# Altium PCB TOP.PcbDoc
Units mm, origin at the board's own origin, x right, y up, seen from the top; angles counter-clockwise.
Board outline 126 x 124.09 mm, 2 copper layers (Top Layer, Bottom Layer), stack 1.181 mm thick; 68 components, 46 nets, 332 pads, 31 vias.
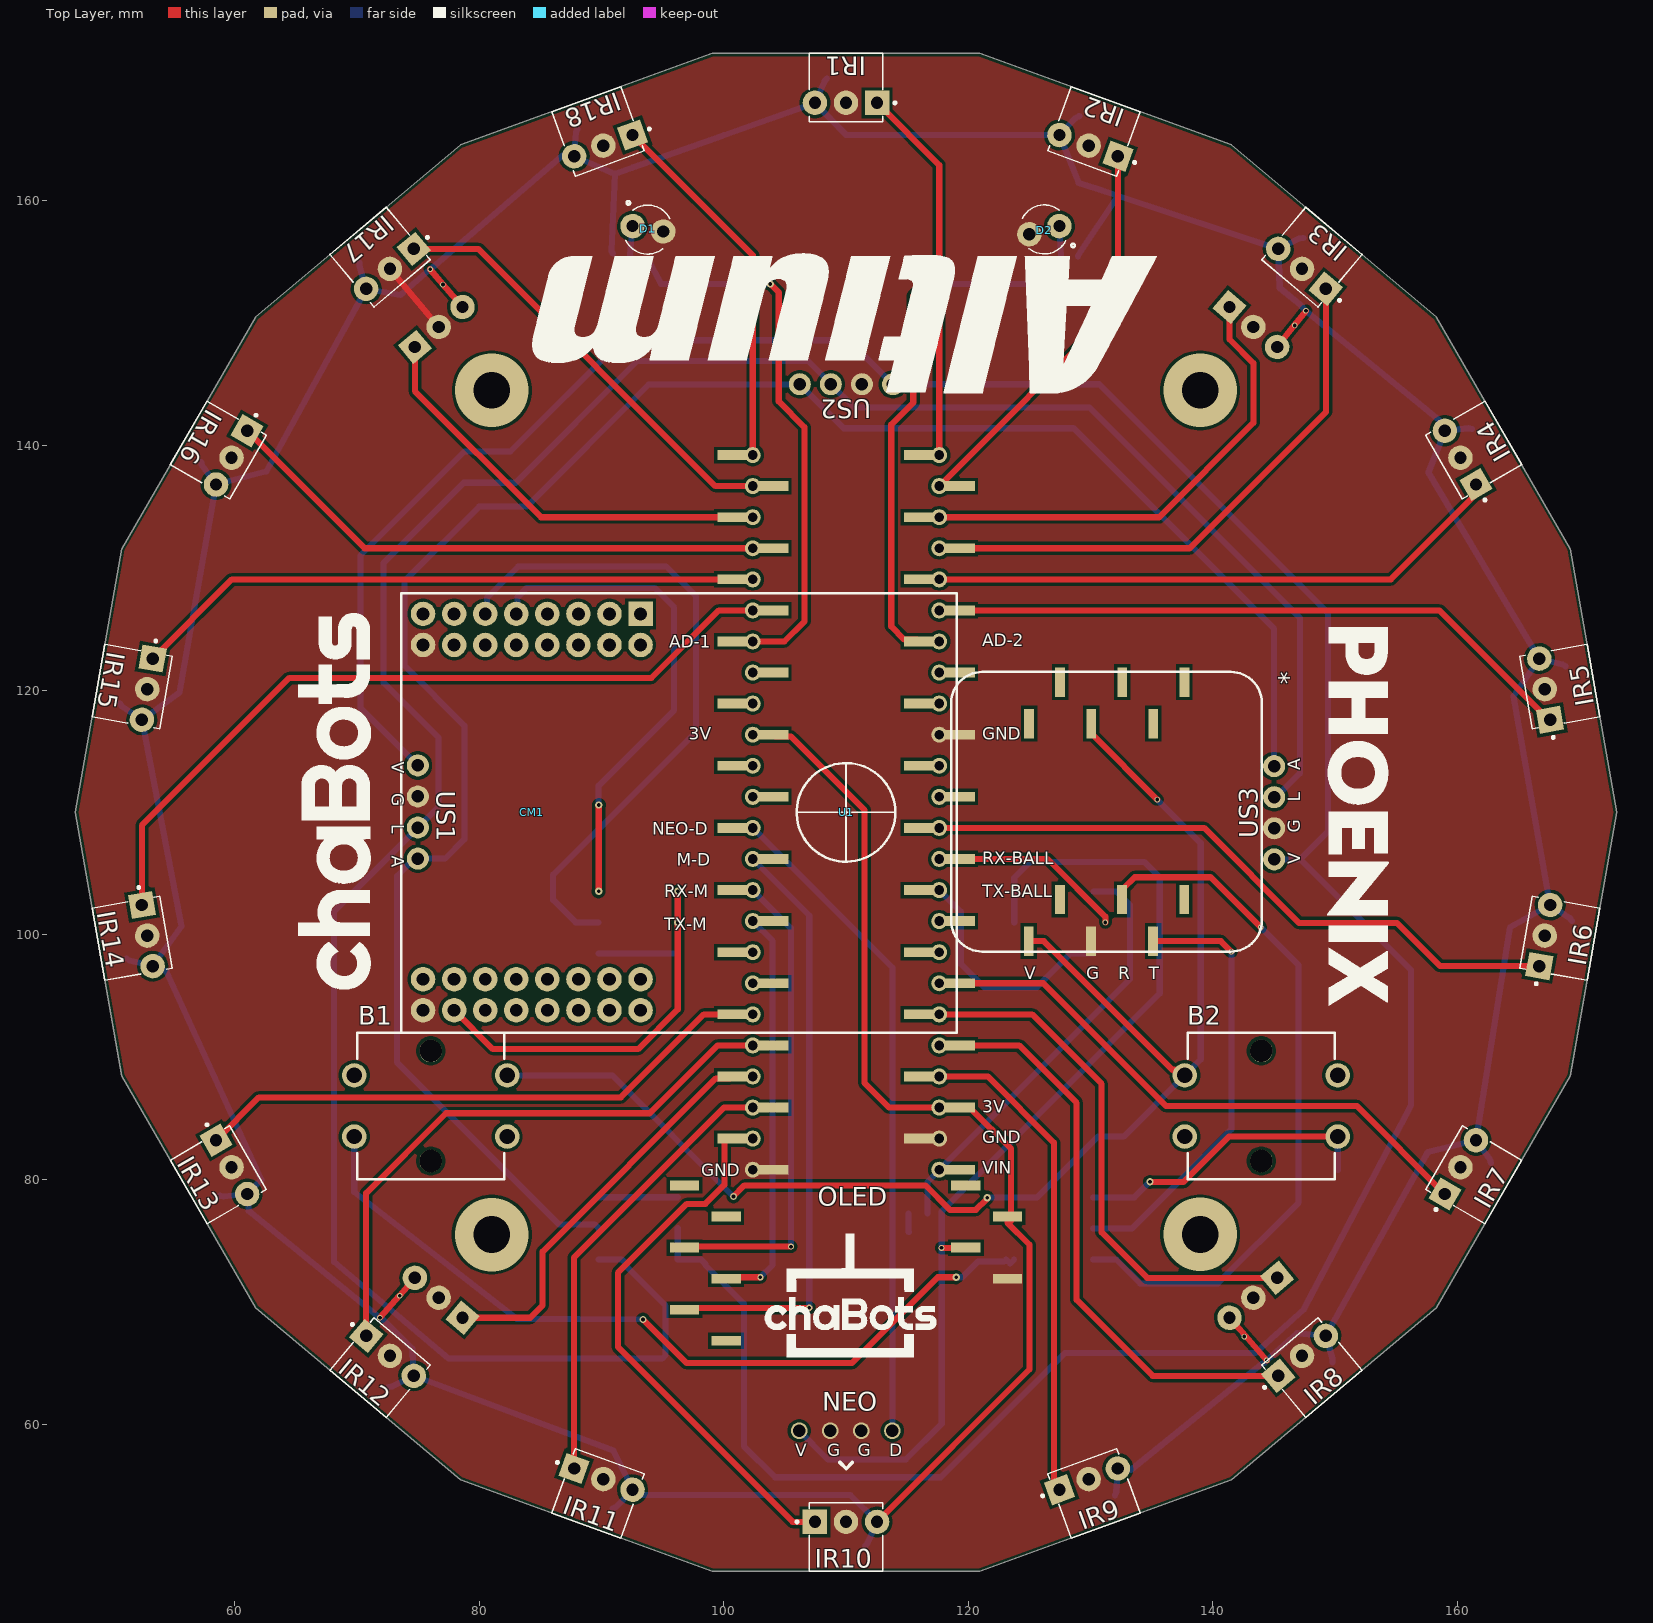
[diagram p0: Top Layer view]
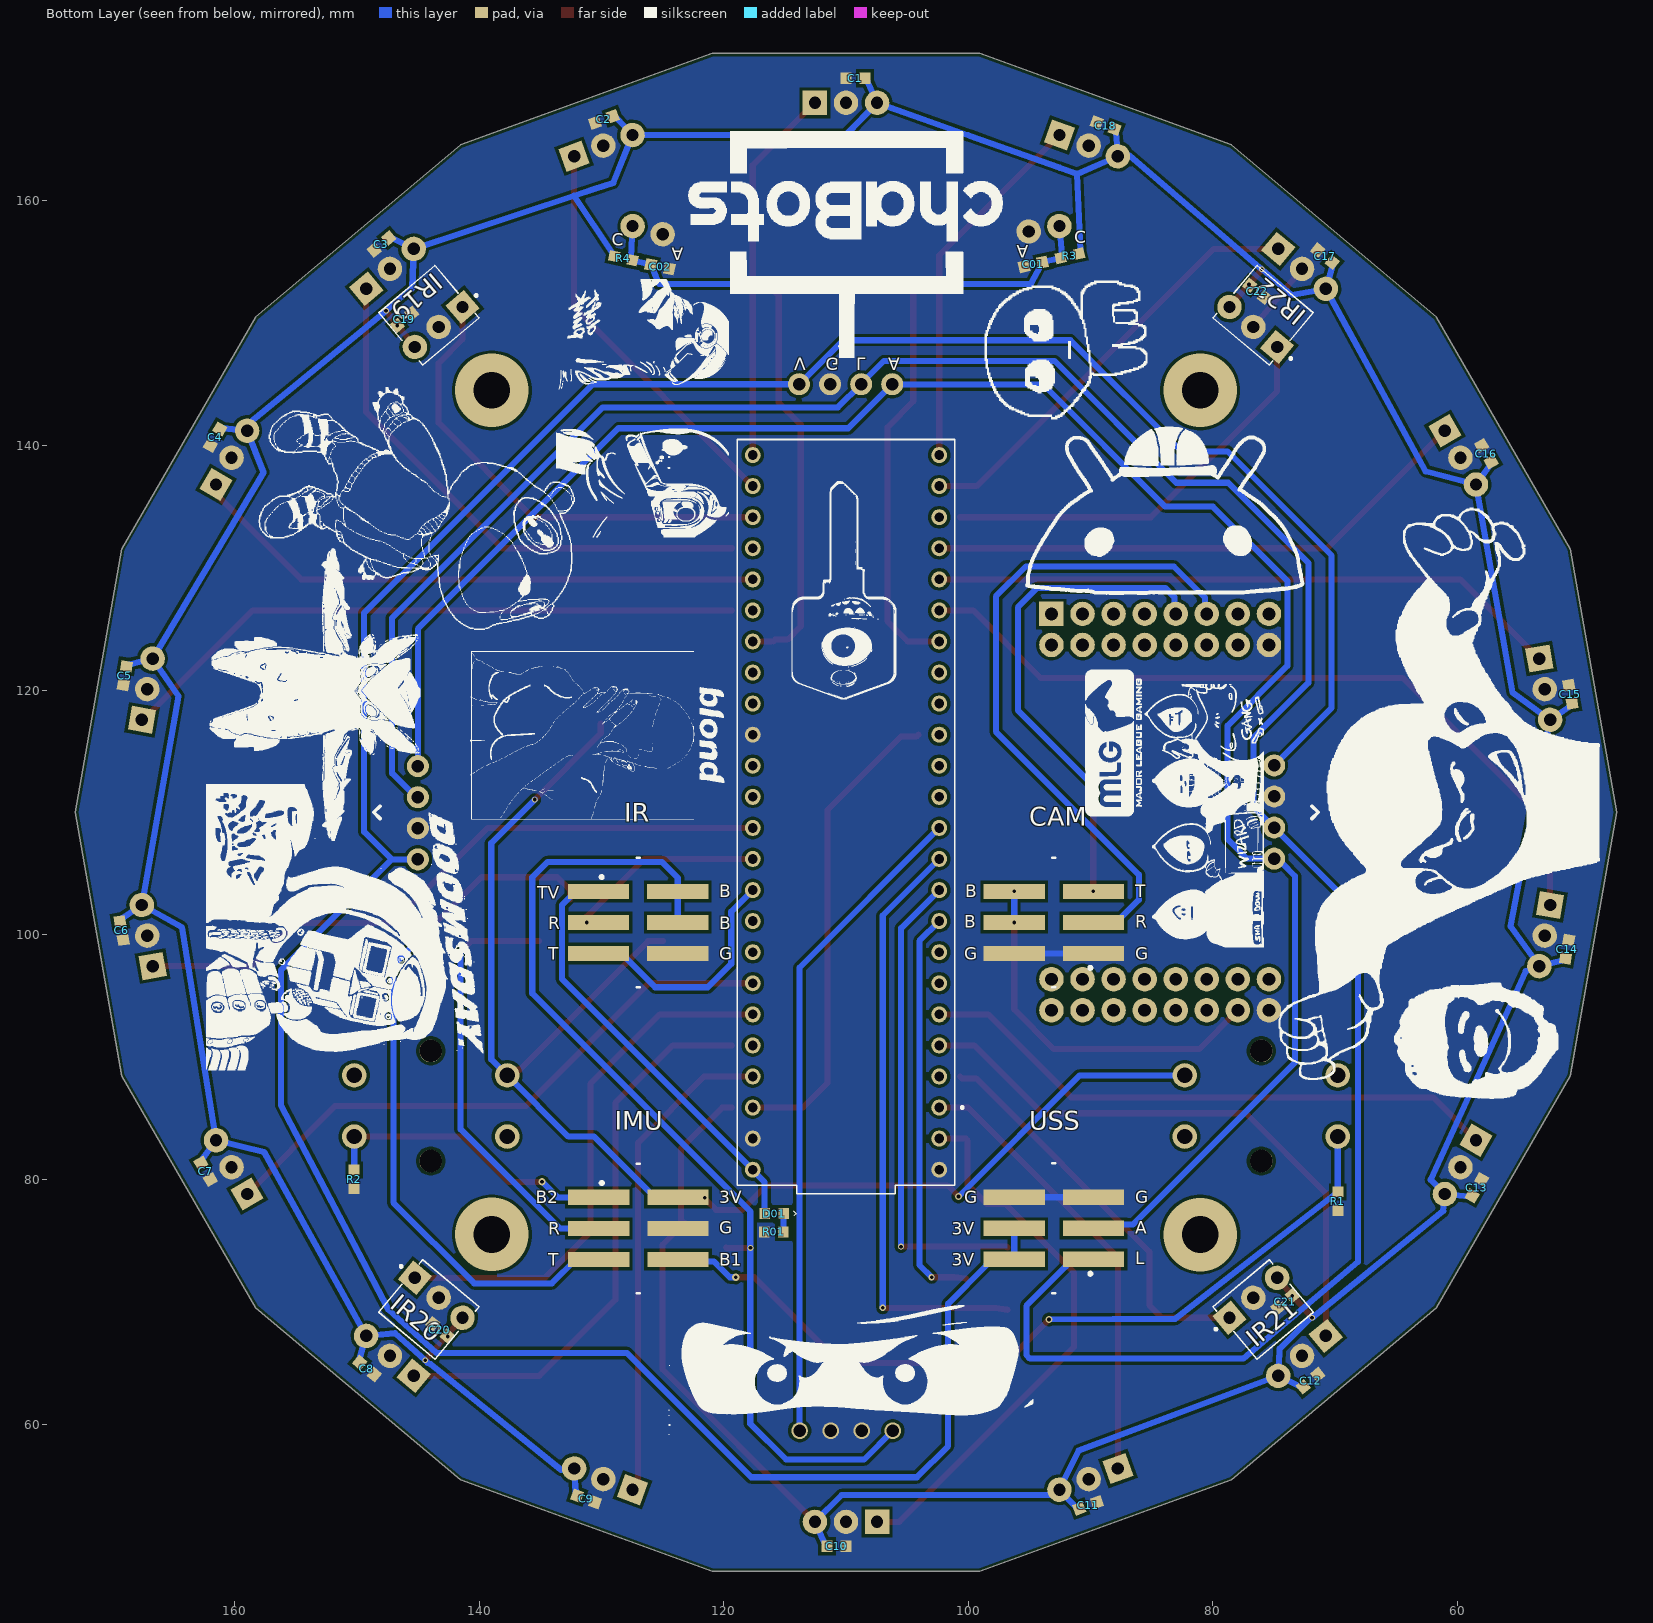
[diagram p1: Bottom Layer view, seen from below]
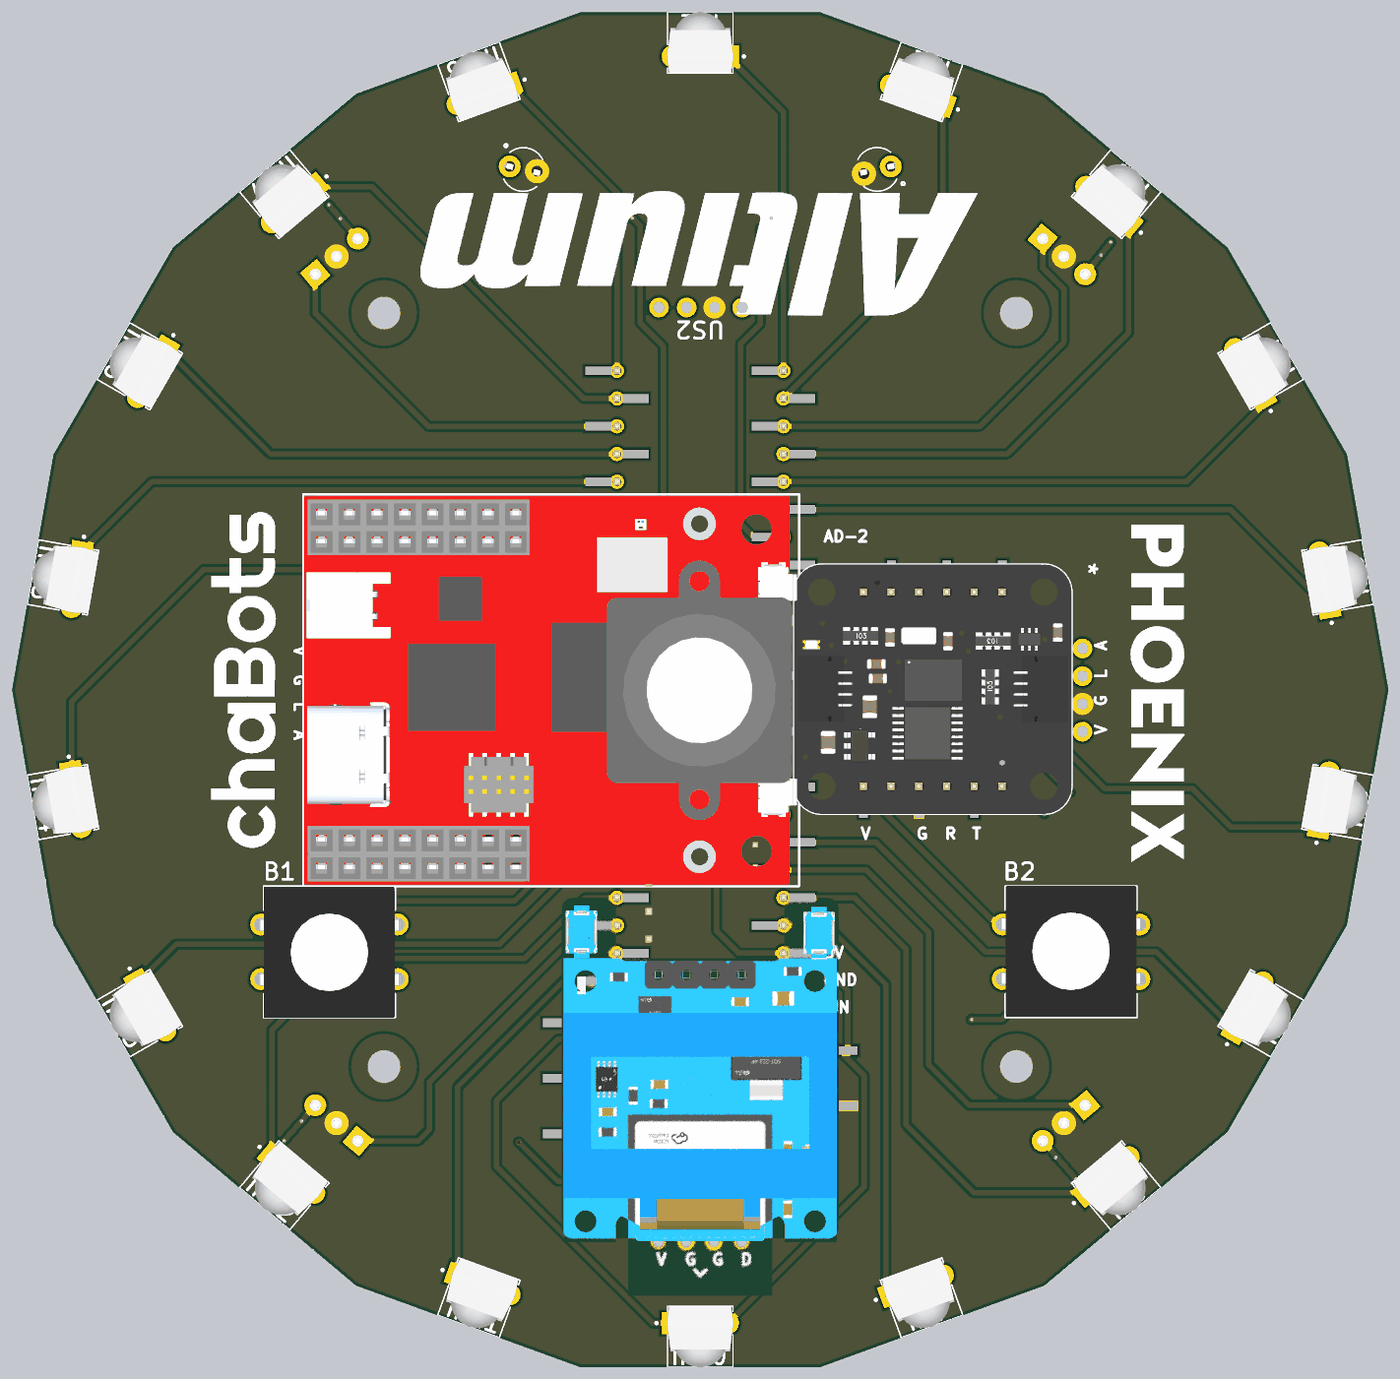
[diagram p2: 3D render of the assembled board from above, using the file's embedded part models]
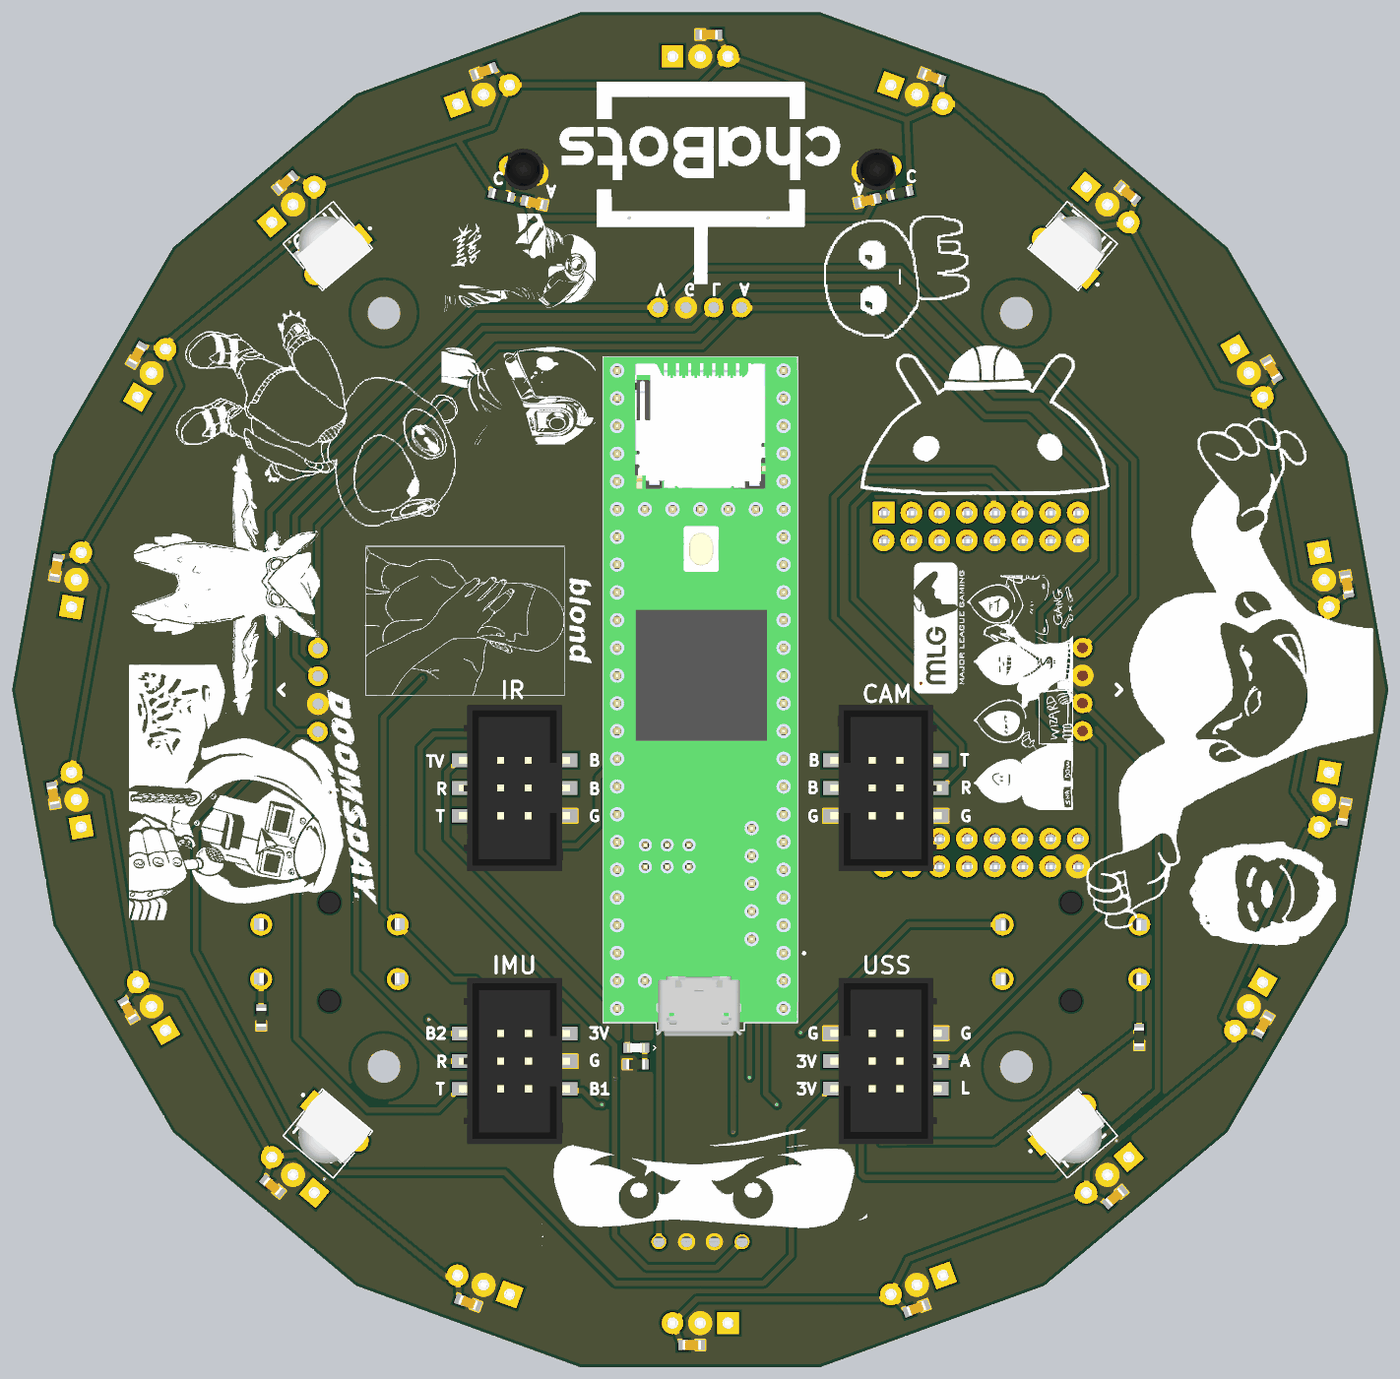
[diagram p3: 3D render of the assembled board from below, using the file's embedded part models]

## Layer stack, top to bottom
Top Solder: solder mask 0.0102, Solder Resist, Dk 3.5
Top Layer: signal copper 0.0356
Dielectric 1: dielectric 1.11, FR-4, Dk 4.8
Bottom Layer: signal copper 0.0356
Bottom Solder: solder mask 0.0102, Solder Resist, Dk 3.5

## Board outline
61.739,69.504 78.5,55.44 99.06,47.957 120.94,47.957 141.5,55.44 158.261,69.504 169.201,88.453 173,110 169.201,131.547 158.261,150.496 141.5,164.56 120.94,172.043 99.06,172.043 78.5,164.56 61.739,150.496 50.799,131.547 47,110 50.799,88.453

## Design rules (kind name [scope] priority, off if disabled: settings)
BoardOutlineClearance [All] p1: gap=0.254 ignorepadtopadclearanceinfootprint=FALSE except(0: Arc-SplitContinuation Track-SplitContinuation SMDPad-SplitContinuation THPad-SplitContinuation Via-SplitContinuation Fill-SplitContinuation Poly-SplitContinuation Region-SplitContinuation Text-SplitContinuation)
Clearance [All] p1: gap=0.254 ignorepadtopadclearanceinfootprint=FALSE
Height [All] p1: minheight=0 maxheight=100 prefheight=12.7
PolygonConnect [All] p1: connectstyle=Direct reliefconductorwidth=0.254 reliefentries=4 polygonreliefangle="90 Angle" airgapwidth=0.254
RoutingVias [All] p1: holewidth=0.711 width=1.27 viastyle="Through Hole" minholewidth=0.711 minwidth=1.27 maxholewidth=0.711 maxwidth=1.27
SolderMaskExpansion [All] p1: expansion=0.102 istentingtop=FALSE
SupplyNets "Schematic Supply Nets_7" [InNet('+3V-IMU')] p1: voltage=0.000
SupplyNets "Schematic Supply Nets_5" [InNet('+3V-CAM')] p2: voltage=0.000
SupplyNets "Schematic Supply Nets_6" [InNet('+3V-US')] p3: voltage=0.000
SupplyNets "Schematic Supply Nets_4" [InNet('+3V')] p4: voltage=0.000
SupplyNets "Schematic Supply Nets_3" [InNet('GND')] p5: voltage=0.000
SupplyNets "Schematic Supply Nets_1" [InNet('+3VB')] p6: voltage=0.000
SupplyNets "Schematic Supply Nets" [InNet('+3V-SWITCH')] p7: voltage=0.000
Width [All] p1: maxlimit=5 minlimit=0.254 preferedwidth=0.3
29 further rules are at their usual default settings.

## Classes and differential pairs
component class IR-ARRAY: C1 C2 C3 C4 C5 C6 C7 C8 C9 C10 C11 C12 C13 C14 C15 C16 C17 C18 C19 C20 C21 C22 IR1 IR2 IR3 IR4 IR5 IR6 IR7 IR8 IR9 IR10 IR11 IR12 IR13 IR14 IR15 IR16 IR17 IR18 IR19 IR20 IR21 IR22
component class UART: * B1 B2 C01 C02 CAM CM1 D1 D01 D2 IMU IR NEO OLED R01 R1 R2 R3 R4 U1 US1 US2 US3 USS

## Components (designator, comment, footprint, x,y, rotation, side; value= is the part's Value field where it differs from the comment)
* "BNO085" BNO085 131.3,110.05 r0 top
B1 "BUTTON" BUTTON 76.15,86 r180 top
B2 "BUTTON" BUTTON 143.85,86 r0 top
C01 "1UF" CAP_0603 94.7,154.8 r167.22 bottom
C1 "1UF" CAP_0603 109.225,170 r0 bottom
C02 "1UF" CAP_0603 125.2,154.6 r12.23 bottom
C2 "1UF" CAP_0603 129.793,166.647 r340 bottom
C3 "1UF" CAP_0603 147.974,156.461 r320 bottom
C4 "1UF" CAP_0603 161.574,140.671 r300 bottom
C5 "1UF" CAP_0603 168.954,121.182 r280 bottom
C6 "1UF" CAP_0603 169.223,100.344 r260 bottom
C7 "1UF" CAP_0603 162.349,80.671 r240 bottom
C8 "1UF" CAP_0603 149.161,64.535 r220 bottom
C9 "1UF" CAP_0603 131.249,53.884 r200 bottom
C10 "1UF" CAP_0603 110.775,50 r180 bottom
C11 "1UF" CAP_0603 90.207,53.353 r160 bottom
C12 "1UF" CAP_0603 72.026,63.539 r140 bottom
C13 "1UF" CAP_0603 58.426,79.329 r120 bottom
C14 "1UF" CAP_0603 51.046,98.818 r100 bottom
C15 "1UF" CAP_0603 50.777,119.656 r80 bottom
C16 "1UF" CAP_0603 57.651,139.329 r60 bottom
C17 "1UF" CAP_0603 70.839,155.465 r40 bottom
C18 "1UF" CAP_0603 88.772,166.135 r20 bottom
C19 "1UF" CAP_0603 146.1,150.3 r140 bottom
C20 "1UF" CAP_0603 143.2,67.7 r40 bottom
C21 "1UF" CAP_0603 74.106,69.998 r320 bottom
C22 "1UF" CAP_0603 76.4,152.6 r220 bottom
CAM "CAM-UART" IDC-6PIN-SMT-2.54 93,101 r0 bottom
CM1 "OpenMV-RT1062" OPENMV-RT1062 110,110 r270 top
D01 "LED_0603" LED_0603 115.874,77.209 r180 bottom
D1 "PD204-6B" PD204-6B 93.796,157.643 r347.22 top
D2 "PD204-6B" PD204-6B 126.202,157.655 r192.23 top
IMU "IMU-UART" IDC-6PIN-SMT-2.54 126.99,75.99 r180 bottom
IR "BALL-UART" IDC-6PIN-SMT-2.54 127,101 r180 bottom
IR1 "TSSP-4038" TSSP-4038 110,168 r0 top
IR2 "TSSP-4038" TSSP-4038 129.837,164.502 r340 top
IR3 "TSSP-4038" TSSP-4038 147.282,154.431 r320 top
IR4 "TSSP-4038" TSSP-4038 160.229,139 r300 top
IR5 "TSSP-4038" TSSP-4038 167.119,120.072 r280 top
IR6 "TSSP-4038" TSSP-4038 167.119,99.928 r260 top
IR7 "TSSP-4038" TSSP-4038 160.229,81 r240 top
IR8 "TSSP-4038" TSSP-4038 147.282,65.569 r220 top
IR9 "TSSP-4038" TSSP-4038 129.837,55.498 r200 top
IR10 "TSSP-4038" TSSP-4038 110,52 r180 top
IR11 "TSSP-4038" TSSP-4038 90.163,55.498 r160 top
IR12 "TSSP-4038" TSSP-4038 72.718,65.569 r140 top
IR13 "TSSP-4038" TSSP-4038 59.771,81 r120 top
IR14 "TSSP-4038" TSSP-4038 52.881,99.928 r100 top
IR15 "TSSP-4038" TSSP-4038 52.881,120.072 r80 top
IR16 "TSSP-4038" TSSP-4038 59.771,139 r60 top
IR17 "TSSP-4038" TSSP-4038 72.718,154.431 r40 top
IR18 "TSSP-4038" TSSP-4038 90.163,164.502 r20 top
IR19 "TSSP-4038" TSSP-4038 143.296,149.681 r140 bottom
IR20 "TSSP-4038" TSSP-4038 143.296,70.319 r40 bottom
IR21 "TSSP-4038" TSSP-4038 76.704,70.319 r320 bottom
IR22 "TSSP-4038" TSSP-4038 76.704,149.681 r220 bottom
NEO "NEOPIXEL-ARRAY" NEOPIXEL-ARRAY 110.01,59.45 r0 top
OLED "RC-MODULE" RC-MODULE 110.5,75.5 r0 top
R01 "130Ω" RES_0603 115.9,75.7 r0 bottom
R1 "10KΩ" RES_0603 69.8,78.2 r270 bottom
R2 "10KΩ" RES_0603 150.2,80 r270 bottom
R3 "10KΩ" RES_0603 91.7,155.5 r347.22 bottom
R4 "10KΩ" RES_0603 128.2,155.3 r12.23 bottom
U1 "Teensy-4.1" TEENSY-4.1 110,110 r90 bottom
US1 "UMR09" URM09 75,110 r90 top
US2 "UMR09" URM09 110,145 r0 top
US3 "UMR09" URM09 145,110 r270 top
USS "UMR09-UART" IDC-6PIN-SMT-2.54 93,76 r0 bottom

## Footprints (in the part's own frame and the unit in brackets; to place one, negate y for a bottom-side part, rotate by r counter-clockwise, add the part's x,y. Pads: shape width x height; smd on the part's side, far side on the other; paste and mask are expansions set on the pad)
BNO085 [mm]
  rect 0.8x2.4 smd: 3V(-3.815,-7.175) BT(-6.335,7.2) CS(6.365,10.6) DI(3.825,7.2) GND(-1.275,-10.575) INT(6.345,-7.175) P0(-3.795,10.6) P1(-1.255,7.2) RST(1.285,10.6) SCL(1.265,-7.175) SDA(3.805,-10.575) VIN(-6.355,-10.575)
  silkscreen extent -12.7,-11.43 12.7,11.43, body extent -12.7,-11.43 12.7,11.43, height 13.5
BUTTON [mm]
  round 2 hole 1.25: 1(-6.15,2.5) 2(6.35,2.5) 3(-6.15,-2.5) 4(6.35,-2.5)
  round 1.85 hole 1.85 unplated: ""(0.1,4.5) ""(0.1,-4.5)
  silkscreen extent -5.9,-6 6.1,6, body extent -6.8,-5.95 7,6.05, height 4.3
CAP_0603 [mm] "Chip Capacitor, 2-Leads, Body 1.60x0.80mm, IPC Medium Density"
  rect 0.9x0.95 smd: 1(-0.775,0) 2(0.775,0)
  body extent -0.85,-0.45 0.85,0.45, height 0.55
IDC-6PIN-SMT-2.54 [mm] "SOJ, 6-Leads, Body 10.60x10.50mm, Pitch 2.54mm, IPC Low Density"
  rect 5x1.25 smd: 1(-3.225,2.54) 2(-3.225,0) 3(-3.225,-2.54) 4(3.25,-2.54) 5(3.25,0) 6(3.25,2.54)
  silkscreen extent -3.1,-5.3 0.12,5.3, body extent -5.1,-7.61 5.08,7.61, height 10.5
LED_0603 [mm]
  rect 0.85x0.9 smd: A(-0.776,-0.009) C(0.774,-0.009)
  silkscreen extent 1.6,-0.2 1.8,0.2, body extent -0.8,-0.4 0.8,0.4, height 0.35
NEOPIXEL-ARRAY [mm]
  round 1.37 hole 1.02: DIN(3.78,0) GND(-1.3,0) GND(1.24,0) VCC(-3.84,0)
  silkscreen extent -0.5,-3.1 0.5,-2.6
OPENMV-RT1062 [mm]
  rect 2x2 hole 1.05: 0(-16.225,-16.795)
  round 2 hole 1.05: 1(-16.225,-19.335) 2(-16.225,-21.875) 3(-16.225,-24.415) 3V(-16.225,-34.575) 3V-1(13.635,-34.575) 4(-16.225,-26.955) 5(-16.225,-29.495) 6(-16.225,-32.035) 7(16.175,-29.495) 8(16.175,-26.955) 9(16.175,-24.415) 10(16.175,-21.875) 13(13.635,-29.495) 14(13.635,-26.955) GND(-13.685,-34.575) GND1(16.175,-34.575) LED(-13.685,-16.795) R1(13.635,-16.795) R2(13.635,-19.335) R3(13.635,-21.875) R4(13.635,-24.415) RAW(-13.685,-32.035) RST(16.175,-16.795) RXN(-13.685,-19.335) RXP(-13.685,-21.875) SBL(13.635,-32.035) TOG(-13.685,-29.495) TXN(-13.685,-24.415) TXP(-13.685,-26.955) VIN(16.175,-32.035) WKE(16.175,-19.335)
  silkscreen extent -17.9,-36.35 18,9.05, body extent -17.73,-36.25 17.83,8.85, height 40.45
PD204-6B [mm]
  round 2 hole 1: A(1.27,0.127) C(-1.27,0)
  silkscreen extent -2.18,-2 1.54,2, body extent -1.61,-1.92 1.92,1.92, height 19
RC-MODULE [mm]
  rect 2.4x0.8 smd: 3V3(9.3,-1.08) A0(-10.3,1.46) A1(-13.7,4) BAT(9.3,4) GND(12.7,-3.62) LOGV(12.7,1.46) OUT1(-10.3,-8.7) OUT2(-13.7,-6.16) RX(-10.3,-3.62) TX(-13.7,-1.08)
  body extent -13.2,-21 12.2,15.44, height 16.35
RES_0603 [mm] "Chip Resistor, 2-Leads, Body 1.60x0.80mm, IPC Medium Density"
  rect 0.85x0.9 smd: 1(-0.775,0) 2(0.775,0)
  body extent -0.85,-0.45 0.85,0.45, height 0.55
TEENSY-4.1 [mm]
  rect 0.8x2.4 smd far side: 0(-26.67,-9.32) 1(-24.13,-5.92) 2(-21.59,-9.32) 3(-19.05,-5.92) 3V(-24.13,9.33) 3V-1(6.35,-5.92) 4(-16.51,-9.32) 5(-13.97,-5.92) 6(-11.43,-9.32) 7(-8.89,-5.92) 8(-6.35,-9.32) 9(-3.81,-5.92) 10(-1.27,-9.32) 11(1.27,-5.92) 12(3.81,-9.32) 13(3.81,5.93) 14(1.27,9.33) 15(-1.27,5.93) 16(-3.81,9.33) 17(-6.35,5.93) 18(-8.89,9.33) 19(-11.43,5.93) 20(-13.97,9.33) 21(-16.51,5.93) 22(-19.05,9.33) 23(-21.59,5.93) 24(8.89,-9.32) 25(11.43,-5.92) 26(13.97,-9.32) 27(16.51,-5.92) 28(19.05,-9.32) 29(21.59,-5.92) 30(24.13,-9.32) 31(26.67,-5.92) 32(29.21,-9.32) 33(29.21,5.93) 34(26.67,9.33) 35(24.13,5.93) 36(21.59,9.33) 37(19.05,5.93) 38(16.51,9.33) 39(13.97,5.93) 40(11.43,9.33) 41(8.89,5.93) GND(-26.67,5.93) GND1(-29.21,-5.92) GND3(6.35,9.33) VIN(-29.21,9.33)
  round 1.308 hole 0.8: 0(-26.67,-7.62) 1(-24.13,-7.62) 2(-21.59,-7.62) 3(-19.05,-7.62) 3V(-24.13,7.62) 3V-1(6.35,-7.62) 4(-16.51,-7.62) 5(-13.97,-7.62) 6(-11.43,-7.62) 7(-8.89,-7.62) 8(-6.35,-7.62) 9(-3.81,-7.62) 10(-1.27,-7.62) 11(1.27,-7.62) 12(3.81,-7.62) 13(3.81,7.62) 14(1.27,7.62) 15(-1.27,7.62) 16(-3.81,7.62) 17(-6.35,7.62) 18(-8.89,7.62) 19(-11.43,7.62) 20(-13.97,7.62) 21(-16.51,7.62) 22(-19.05,7.62) 23(-21.59,7.62) 24(8.89,-7.62) 25(11.43,-7.62) 26(13.97,-7.62) 27(16.51,-7.62) 28(19.05,-7.62) 29(21.59,-7.62) 30(24.13,-7.62) 31(26.67,-7.62) 32(29.21,-7.62) 33(29.21,7.62) 34(26.67,7.62) 35(24.13,7.62) 36(21.59,7.62) 37(19.05,7.62) 38(16.51,7.62) 39(13.97,7.62) 40(11.43,7.62) 41(8.89,7.62) GND(-26.67,7.62) GND1(-29.21,-7.62) GND3(6.35,7.62) VIN(-29.21,7.62)
  silkscreen extent -31.18,-9.6 30.48,8.89, body extent -31.7,-8.9 30.5,8.88, height 7.07
TSSP-4038 [mm]
  round 2 hole 1.01: GND(0,0) VCC(-2.54,0)
  rect 2x2 hole 1.01: OUT(2.54,0)
  silkscreen extent -3,-1.55 4.1,4.05, body extent -3,-1.5 3,4.05, height 8.3
URM09 [mm]
  round 1.8 hole 1.02: GND(1.3,0) SCL(-1.24,0) SDA(-3.78,0) VCC(3.84,0)

## Part data
C01 C1 C02 C2 C3 C4 C5 C6 C7 C8 C9 C10 C11 C12 C13 C14 C15 C16 C17 C18 C19 C20 C21 C22: library part CAP_0603, "Capacitor SMD 0603 generic"
CAM IMU IR USS: library part IDC-6PIN-SMT-2.54_1_1
R01 R1 R2 R3 R4: library part RES_0603, "Resistor SMD 0603 generic"

## Via types
v1: diameter 0.45, hole 0.3, Top Layer to Bottom Layer, tented both sides, 12 vias
v2: diameter 0.6, hole 0.3, Top Layer to Bottom Layer, tented both sides, 11 vias
v3: diameter 0.5, hole 0.3, Top Layer to Bottom Layer, tented both sides, 4 vias
v4: diameter 6, hole 3, Top Layer to Bottom Layer, 4 vias

## Nets (pads, with @x,y where several pads share a name; then routed paths per layer and width w, separated by ;. In a path a pad name is that pad's centre, name@x,y a point inside that pad or via, vN(x,y) a via of type N, cw(c..) or ccw(c..) an arc to the next point about the centre after c; other vN are vias at no path point)
+3V: C1.1 C2.1 C3.1 C4.1 C5.1 C6.1 C7.1 C8.1 C9.1 C10.1 C11.1 C12.1 C13.1 C14.1 C15.1 C16.1 C17.1 C18.1 C19.1 C20.1 C21.1 C22.1 IR1.VCC IR2.VCC IR3.VCC IR4.VCC IR5.VCC IR6.VCC IR7.VCC IR8.VCC IR9.VCC IR10.VCC IR11.VCC IR12.VCC IR13.VCC IR14.VCC IR15.VCC IR16.VCC IR17.VCC IR18.VCC IR19.VCC IR20.VCC IR21.VCC IR22.VCC OLED.LOGV R3.1 R4.2 U1.3V U1.3V-1 | length 511.8
  Top Layer w0.5: v1(71.9,68.7) v1@73.495,70.514 ; v1(73.513,70.496) IR21.VCC ; IR21.VCC@74.629,71.798 IR21.VCC@74.919,71.798 ; v1(76,154.4) 77.061,153.164 IR22.VCC ; U1.3V-1@104.08,116.35 104.23,116.2 105.507,116.2 105.8,115.907 111.5,110.207 111.5,87.9 113.53,85.87 U1.3V@117.62,85.87 ; IR10.VCC 125,64.46 125,74.66 123.2,76.46 123.35,76.46 123.5,76.61 123.5,82.5 120.13,85.87 U1.3V@119.33,85.87 ; IR20.VCC 142.629,67.224 v1(144.4,65.2) ; IR19.VCC 146.662,149.826 v1(147.6,151)
  Bottom Layer w0.5: C15.1 50.829,118.656 IR15.VCC ; C14.1 51.437,97.897 IR14.VCC ; C16.1 57.358,138.372 IR16.VCC ; C13.1 59.108,78.597 IR13.VCC ; C17.1 70.237,154.665 IR17.VCC ; C12.1 72.918,63.085 IR12.VCC ; v1@76.129,154.5 76.006,154.394 73.579,152.304 IR17.VCC ; v1@76.146,154.5 86.835,163.704 IR18.VCC ; C18.1 87.932,165.59 IR18.VCC ; C11.1 91.2,53.231 IR11.VCC ; R3.1 90.818,155.905 91.103,162.192 ; 92.526,162.697 91.103,162.192 ; 92.686,162.754 97.423,164.436 99.865,165.303 100.025,165.36 IR1.VCC ; C1.1 108.25,169.775 IR1.VCC ; C10.1 111.75,50.225 IR10.VCC 110.343,54.197 93.257,54.197 92.825,54.629 IR11.VCC ; R4.2 129.086,155.697 132.224,160.403 ; C2.1 128.8,166.769 IR2.VCC ; C9.1 132.089,54.428 IR9.VCC 133.277,56.255 143.946,64.885 144.191,64.991 v1(144.4,65.2) 146.878,67.422 IR8.VCC ; C20.1@142.456,67.369 C20.1 ; C3.1 147.082,156.915 IR3.VCC ; C8.1 149.763,65.335 IR8.VCC ; C4.1 160.892,141.403 IR4.VCC ; C7.1 162.642,81.628 IR7.VCC ; C5.1 168.563,122.103 IR5.VCC ; C6.1 169.171,101.344 IR6.VCC ; IR15.VCC 55.675,100.695 IR14.VCC ; IR15.VCC 55.505,119.799 IR16.VCC ; IR14.VCC 54.441,97.009 62.21,79.969 IR13.VCC ; IR16.VCC 62.629,137.884 IR17.VCC ; IR13.VCC 61.18,77.422 71.669,68.862 71.835,68.7 v1(71.9,68.7) 72,68.7 74.406,66.294 74.542,66.158 74.552,65.968 IR12.VCC ; IR12.VCC 90.979,57.843 IR11.VCC ; IR18.VCC 91.103,162.192 ; IR1.VCC 110,165.398 IR2.VCC ; IR2.VCC 129.021,161.463 130.582,160.947 132.224,160.403 ; 132.224,160.403 IR3.VCC ; IR3.VCC 145.461,152.872 147.108,151.518 147.307,151.293 v1(147.6,151) 158.911,141.7 IR4.VCC ; IR8.VCC 157.566,82.219 161.411,83.178 IR7.VCC ; IR4.VCC 157.611,137.806 IR5.VCC ; IR7.VCC 164.277,100.604 IR6.VCC ; IR5.VCC 164.564,119.494 IR6.VCC
  other v1: 142.549,67.154 146.694,149.802 77.051,153.146
+3V-CAM: CAM.4 CAM.5 CM1.VIN | length 33.1
  Top Layer w0.5: CM1.VIN 81.14,90.65 93,90.65 96.25,93.9 v2(96.25,101) v2(96.25,103.54)
  Bottom Layer w0.5: v2(96.25,101) v2(96.25,103.54)
+3V-IMU: *.P1 *.VIN B1.3 B2.1 IMU.6 | length 115.6
  Top Layer w0.5: v2(100.8,78.6) 101.7,79.5 116.5,79.5 118.5,77.5 120.613,77.5 121.504,78.391 121.504,78.396 121.527,78.419 121.527,78.49 v2(121.546,78.509) ; *.VIN 126.175,99.475 136.688,88.962 136.832,88.962 137.294,88.5 B2.1 ; *.P1 130.045,116.45 v1(135.448,111.047)
  Bottom Layer w0.5: B1.3 90.9,88.5 v2(100.8,78.6) ; v2(121.546,78.509) 121.568,78.53 125.615,78.53 130.585,83.5 132.7,83.5 B2.1 139,89.8 139,107.495 v1(135.448,111.047)
+3V-SWITCH: D01.A IR.1 U1.VIN | length 35.5
  Bottom Layer w0.5: D01.A 116.65,79.774 117.62,80.744 117.62,80.79 133.229,96.399 133.229,102.411 132.1,103.54 IR.1
+3V-US: US1.VCC US2.VCC US3.VCC USS.5 USS.6 | length 254.2
  Bottom Layer w0.5: US1.VCC 70.3,118.54 70.3,131 78.8,139.5 82.55,139.5 91.65,148.6 110.24,148.6 US2.VCC 130.7,145 149.4,126.3 149.4,108.42 147.14,106.16 ; USS.5 USS.6 98.125,73.46 98.5,73.085 98.5,73 101.65,69.85 101.65,58.2 104.2,55.65 117.75,55.65 127.9,65.8 143.476,65.8 147.439,69.381 156.2,86.081 156.2,97.1 147.14,106.16 ; US3.VCC 147.14,106.16
+3VB: IR.5 IR.6 NEO.VCC OLED.3V3 | length 84.5
  Top Layer w0.5: v3(117.8,74.4) 119.78,74.4 OLED.3V3
  Bottom Layer w0.5: NEO.VCC 108.52,57.1 114.9,57.1 117.825,60.025 117.825,77.375 135.65,95.2 135.65,104.7 134.4,105.95 125.05,105.95 123.75,104.65 IR.6 IR.5
AD-1: C01.2 D1.C R3.2 U1.26 | length 48.9
  Top Layer w0.5: U1.26@102.38,123.97 104.97,123.97 106.6,125.6 106.6,141.5 104.5,143.6 104.5,152.5 v2(103.8,153.2)
  Bottom Layer w0.5: R3.2@92.456,155.31 R3.2 ; D1.C 92.329,155.562 R3.2 ; R3.2@92.626,155.288 R3.2 ; v2(103.8,153.2) 94.9,153.2 94.089,154.708 C01.2 93.75,155.018 92.623,155.274 R3.2
AD-2: C02.2 D2.C R4.1 U1.39 | length 48.3
  Top Layer w0.5: U1.39@115.93,123.97 115.78,124.12 114.78,124.12 113.7,125.2 113.7,141.7 115.5,143.5 115.5,152.227 116.473,153.2 v2(116.5,153.2) ; U1.39@116.13,123.97 U1.39@117.62,123.97
  Bottom Layer w0.5: v2(116.5,153.2) 125.3,153.2 125.81,154.502 C02.2 126.152,154.813 127.28,155.058 R4.1 127.571,155.368 D2.C
BUTTON-1: B1.2 IMU.4 R1.1 | length 67.3
  Top Layer w0.5: v2(93.4,68.55) 96.95,65 110.5,65 117.5,72 v2(119,72)
  Bottom Layer w0.5: B1.2 R1.1 83.089,68.601 v2(93.4,68.55) ; v2(119,72) 119.5,72 120.783,73.283 122.923,73.283 123.09,73.45 123.415,73.125 IMU.4
BUTTON-2: B2.4 IMU.1 R2.1 | length 24.8
  Top Layer w0.5: v2(134.85,79.8) 137.6,79.8 141.3,83.5 B2.4
  Bottom Layer w0.5: IMU.1 133.58,78.53 v2(134.85,79.8) ; R2.1 B2.4
D1: OLED.OUT2 U1.9 | length 48.8
  Top Layer w0.5: OLED.OUT2 97.75,69.49 v3(107,69.5)
  Bottom Layer w0.5: U1.9@102.38,106.19 107,101.57 v3(107,69.5)
GND: *.GND C01.1 C1.2 C02.1 C2.2 C3.2 C4.2 C5.2 C6.2 C7.2 C8.2 C9.2 C10.2 C11.2 C12.2 C13.2 C14.2 C15.2 C16.2 C17.2 C18.2 C19.2 C20.2 C21.2 C22.2 CAM.1 CAM.6 CM1.GND CM1.GND1 D1.A D2.A IMU.5 IR1.GND IR2.GND IR3.GND IR4.GND IR5.GND IR6.GND IR7.GND IR8.GND IR9.GND IR10.GND IR11.GND IR12.GND IR13.GND IR14.GND IR15.GND IR16.GND IR17.GND IR18.GND IR19.GND IR20.GND IR21.GND IR22.GND IR.4 NEO.GND OLED.GND R01.2 R1.2 R2.2 U1.GND U1.GND1 U1.GND3 US1.GND US2.GND US3.GND USS.3 USS.4 | length 17.9
  Top Layer w0.5: IR17.GND 75.932,150.6
  Bottom Layer w0.5: USS.3 USS.4 ; CAM.1 CAM.6
NEO-DIN: NEO.DIN U1.10 | length 54
  Bottom Layer w0.5: U1.10@102.38,108.73 113.79,97.32 NEO.DIN
NetD01_C: D01.C R01.1 | length 1.5
  Bottom Layer w0.5: D01.C 115.113,77.188 115.113,75.713 R01.1
NetIR1_OUT: IR1.OUT U1.33 | length 30.9
  Top Layer w0.5: IR1.OUT 117.62,162.92 U1.33@117.62,139.21
NetIR2_OUT: IR2.OUT U1.34 | length 33.2
  Top Layer w0.5: U1.34@117.62,136.67 132.224,151.274 IR2.OUT
  Bottom Layer w0.5: IR2.OUT@132.097,163.761 IR2.OUT
NetIR3_OUT: IR3.OUT U1.36 | length 44.6
  Top Layer w0.5: U1.36@119.33,131.59 138.09,131.59 149.227,142.727 IR3.OUT
NetIR4_OUT: IR4.OUT U1.37 | length 47.9
  Top Layer w0.5: U1.37@117.62,129.05 154.55,129.05 161.499,135.999 IR4.OUT
  Bottom Layer w0.5: IR4.OUT IR4.OUT@161.499,137.126
NetIR5_OUT: IR5.OUT U1.38 | length 51.9
  Top Layer w0.5: U1.38@119.33,126.51 158.507,126.51 167.447,117.57 IR5.OUT
NetIR6_OUT: IR6.OUT U1.15 | length 53.7
  Top Layer w0.5: U1.15@117.62,108.73 139.27,108.73 147.05,100.95 155.05,100.95 158.573,97.427 IR6.OUT
NetIR7_OUT: IR7.OUT U1.20 | length 48.6
  Top Layer w0.5: U1.20@117.62,96.03 119.33,96.03 120.13,96.03 126.12,96.03 136.15,86 151.76,86 IR7.OUT
  Bottom Layer w0.5: IR7.OUT IR7.OUT@159.028,78.731
NetIR8_OUT: IR8.OUT U1.22 | length 46.6
  Top Layer w0.5: U1.22@119.33,90.95 124.15,90.95 128.85,86.25 128.85,70.15 135.063,63.937 IR8.OUT
NetIR9_OUT: IR9.OUT U1.23 | length 40.2
  Top Layer w0.5: U1.23@117.62,88.41 121.59,88.41 127,83 127,55.079 IR9.OUT
  Bottom Layer w0.5: IR9.OUT IR9.OUT@127.495,54.629
NetIR10_OUT: IR10.OUT U1.0 | length 45.8
  Top Layer w0.5: U1.0@102.38,83.33 100.205,83.33 100.055,83.18 100.055,79.555 98.5,78 97,78 91.35,72.35 91.35,66.3 105.65,52 IR10.OUT
NetIR11_OUT: IR11.OUT U1.1 | length 37.1
  Top Layer w0.5: IR11.OUT 87.776,73.626 100.02,85.87 U1.1@102.38,85.87
  Bottom Layer w0.5: IR11.OUT IR11.OUT@87.903,56.239
NetIR12_OUT: IR12.OUT U1.3 | length 48.3
  Top Layer w0.5: IR12.OUT 70.773,78.873 77.3,85.4 93.95,85.4 99.5,90.95 U1.3@102.38,90.95
NetIR13_OUT: IR13.OUT U1.4 | length 48.1
  Top Layer w0.5: IR13.OUT 62.001,86.7 91.6,86.7 98.39,93.49 100.68,93.49 U1.4@102.38,93.49
NetIR14_OUT: IR14.OUT U1.27 | length 63.7
  Top Layer w0.5: IR14.OUT 52.44,108.94 64.5,121 94.1,121 99.61,126.51 U1.27@102.38,126.51
NetIR15_OUT: IR15.OUT U1.28 | length 51.9
  Top Layer w0.5: IR15.OUT 59.799,129.05 U1.28@102.38,129.05
  Bottom Layer w0.5: IR15.OUT@53.205,122.573 IR15.OUT
NetIR16_OUT: IR16.OUT U1.29 | length 45.4
  Top Layer w0.5: IR16.OUT 70.65,131.59 U1.29@102.38,131.59
  Bottom Layer w0.5: IR16.OUT@60.972,141.269 IR16.OUT
NetIR17_OUT: IR17.OUT U1.31 | length 35.7
  Top Layer w0.5: IR17.OUT 79.937,156.063 99.33,136.67 U1.31@102.38,136.67
NetIR18_OUT: IR18.OUT U1.32 | length 30.3
  Top Layer w0.5: IR18.OUT 102.38,155.541 U1.32@102.38,139.21
  Bottom Layer w0.5: IR18.OUT@92.505,165.371 IR18.OUT
NetIR19_OUT: IR19.OUT U1.35 | length 39.2
  Top Layer w0.5: U1.35@117.62,134.13 135.588,134.13 143.3,141.842 143.3,146.719 141.351,148.669 IR19.OUT
NetIR20_OUT: IR20.OUT U1.21 | length 43.7
  Top Layer w0.5: U1.21@117.62,93.49 125.21,93.49 130.9,87.8 130.9,75.666 134.615,71.952 IR20.OUT
NetIR21_OUT: IR21.OUT U1.2 | length 32.8
  Top Layer w0.5: IR21.OUT 84.186,68.686 85.2,69.7 85.2,74.1 99.36,88.26 100.53,88.26 U1.2@100.68,88.41
NetIR22_OUT: IR22.OUT U1.30 | length 33.8
  Top Layer w0.5: IR22.OUT 74.758,144.442 85.07,134.13 U1.30@100.68,134.13
RX-BALL: IR.2 U1.16 | length 16
  Top Layer w0.5: U1.16@117.62,106.19 126.483,106.19 131.2,101.473 v1(131.2,101)
RX-CAM: CAM.2 CM1.5 | length 54.7
  Bottom Layer w0.5: CM1.5 80.652,126.372 80.652,127.552 83.2,130.1 95.3,130.1 97.75,127.65 97.75,116.6 86.05,104.9 86.05,102.85 87.9,101 CAM.2
RX-IMU: *.SCL IMU.3 | length 58.4
  Top Layer w0.5: *.SCL 132.565,103.675 132.715,103.825 132.725,103.825 133.6,104.7 139.8,104.7 v1(143.9,100.6)
  Bottom Layer w0.5: IMU.3 132.09,73.45 134.04,71.5 140.4,71.5 147,78.1 147,97.5 v1(143.9,100.6)
RX-TX: OLED.TX U1.8 | length 39.2
  Top Layer w0.5: OLED.TX 96.88,74.5 v3(105.5,74.5)
  Bottom Layer w0.5: U1.8@102.38,103.65 105.5,100.53 v3(105.5,74.5)
TX-BALL: IR.3 U1.17 | length 19.5
  Bottom Layer w0.5: U1.17@117.62,103.65 119.384,101.886 119.384,97.616 121.3,95.7 125.6,95.7 127.975,98.075 127.975,98.085 128.35,98.46 IR.3
TX-CAM: CAM.3 CM1.4 | length 41
  Top Layer w0.5: v2(89.775,103.54) 89.788,103.553 89.788,110.588 v2(89.8,110.6)
  Bottom Layer w0.5: CM1.4 83.147,126.327 83.147,127.597 83.9,128.35 94.35,128.35 95.95,126.75 95.95,118.35 89.781,112.181 89.781,110.619 v2(89.8,110.6)
TX-IMU: *.SDA IMU.2 | length 35.9
  Top Layer w0.5: *.SDA 140.645,99.475 v1(141.5,98.62)
  Bottom Layer w0.5: IMU.2 133.39,75.99 141.5,84.1 v1(141.5,98.62)
TX-RX: OLED.RX U1.7 | length 33
  Top Layer w0.5: OLED.RX 101.15,72 v3(103,72)
  Bottom Layer w0.5: U1.7@102.38,101.11 104,99.49 104,73 v3(103,72)
URM09-SCL: US1.SCL US2.SCL US3.SCL USS.1 | length 209.8
  Bottom Layer w0.5: USS.1 91.65,73.46 92.025,73.085 92.025,72.89 95.254,69.661 95.254,65.643 94.961,65.35 77.505,65.35 68.15,73.269 68.15,101.91 US1.SCL 76.7,110.46 76.7,116.1 72.2,120.6 72.2,130.4 78.75,136.95 83,136.95 92.95,146.9 106.9,146.9 US2.SCL@108.78,145.02 ; US2.SCL 110.66,143.1 129.9,143.1 147.1,125.9 147.1,113.2 US3.SCL@145.121,111.221
URM09-SDA: US1.SDA US2.SDA US3.SDA USS.2 | length 164.9
  Bottom Layer w0.5: USS.2 89.45,76.325 86.525,76.325 73.3,89.55 73.3,104.8 74.345,105.845 74.39,105.845 74.765,106.22 US1.SDA 77.22,106.22 78.8,107.8 78.8,117.1 73.921,121.979 73.921,128.921 80,135 83.9,135 93.879,144.979 US2.SDA@106.199,144.979 ; US2.SDA 109.82,141.4 128.6,141.4 145,125 US3.SDA@145,113.277
pads on no net: *.3V *.BT *.CS *.DI *.INT *.P0 *.RST B1. B1.1 B1.4 B2. B2.2 B2.3 CM1.0 CM1.1 CM1.2 CM1.3 CM1.3V CM1.3V-1 CM1.6 CM1.7 CM1.8 CM1.9 CM1.10 CM1.13 CM1.14 CM1.LED CM1.R1 CM1.R2 CM1.R3 CM1.R4 CM1.RAW CM1.RST CM1.RXN CM1.RXP CM1.SBL CM1.TOG CM1.TXN CM1.TXP CM1.WKE OLED.A0 OLED.A1 OLED.BAT OLED.OUT1 U1.5 U1.6 U1.11 U1.12 U1.13 U1.14 U1.18 U1.19 U1.24 U1.25 U1.40 U1.41
copper on no net:
  other v4: 81.045,75.488 138.95,75.5 81.05,144.5 138.95,144.5

## Polygon pours and split planes (outlines as drawn)
GND on Top Layer "GND_L01_P000" (solid, pour order 0): 99.06,172.043 120.94,172.043 141.5,164.56 158.261,150.496 169.201,131.547 173,110 169.201,88.453 158.261,69.504 141.5,55.44 120.94,47.957 99.06,47.957 78.5,55.44 61.739,69.504 50.799,88.453 47,110 50.799,131.547 61.739,150.496 78.5,164.56
GND on Bottom Layer "GND_L02_P002" (solid, pour order 2): 99.06,172.043 120.94,172.043 141.5,164.56 158.261,150.496 169.201,131.547 173,110 169.201,88.453 158.261,69.504 141.5,55.44 120.94,47.957 99.06,47.957 78.5,55.44 61.739,69.504 50.799,88.453 47,110 50.799,131.547 61.739,150.496 78.5,164.56

## Silkscreen, mask and mechanical layers (free items; w line width, h text height)
Top Overlay:
  drawing of 29 lines, arcs and shapes, not listed
  text "AD-2" at 121.154,123.574 h1
  text "AD-1" at 95.554,123.454 h1
  text "3V" at 97.154,115.954 h1
  text "GND" at 121.154,115.954 h1
  text "V" at 72.854,114.146 h1 r270
  text "A" at 147.146,113.454 h1 r90
  text "G" at 72.854,111.546 h1 r270
  text "L" at 147.146,110.854 h1 r90
  text "L" at 72.854,109.046 h1 r270
  text "G" at 147.146,108.354 h1 r90
  text "NEO-D" at 94.154,108.154 h1
  text "A" at 72.854,106.446 h1 r270
  text "RX-BALL" at 121.154,105.754 h1
  text "V" at 147.146,105.754 h1 r90
  text "M-D" at 96.154,105.654 h1
  text "RX-M" at 95.154,103.054 h1
  text "TX-BALL" at 121.154,103.054 h1
  text "TX-M" at 95.154,100.354 h1
  text "V" at 124.554,96.354 h1
  text "G" at 129.654,96.354 h1
  text "R" at 132.254,96.354 h1
  text "T" at 134.754,96.354 h1
  text "3V" at 121.154,85.454 h1
  text "GND" at 121.154,82.954 h1
  text "VIN" at 121.154,80.454 h1
  text "GND" at 98.154,80.254 h1
  text "V" at 105.854,57.354 h1
  text "G" at 108.454,57.354 h1
  text "G" at 110.954,57.354 h1
  text "D" at 113.554,57.354 h1
Bottom Overlay:
  drawing of 714 lines, arcs and shapes, not listed
  text "C" at 91.346,157.546 h1 r180
  text "C" at 129.146,157.346 h1 r180
  text "A" at 96.046,156.346 h1 r180
  text "A" at 124.246,156.146 h1 r180
  text "A" at 106.546,147.146 h1 r180
  text "L" at 109.146,147.146 h1 r180
  text "G" at 111.646,147.146 h1 r180
  text "V" at 114.246,147.146 h1 r180
  text "T" at 86.346,103.054 h1
  text "B" at 100.246,103.054 h1
  text "B" at 120.346,103.054 h1
  text "TV" at 135.246,102.954 h1
  text "R" at 86.346,100.554 h1
  text "B" at 100.346,100.554 h1
  text "B" at 120.346,100.454 h1
  text "R" at 134.346,100.454 h1
  text "G" at 86.346,97.954 h1
  text "G" at 100.346,97.954 h1
  text "G" at 120.346,97.954 h1
  text "T" at 134.346,97.954 h1
  text "G" at 86.346,78.054 h1
  text "G" at 100.346,78.054 h1
  text "3V" at 120.346,78.054 h1
  text "B2" at 135.346,78.054 h1
  text "A" at 86.346,75.554 h1
  text "G" at 120.346,75.554 h1
  text "3V" at 101.346,75.454 h1
  text "R" at 134.346,75.454 h1
  text "L" at 86.346,73.054 h1
  text "3V" at 101.346,72.954 h1
  text "B1" at 120.346,72.954 h1
  text "T" at 134.346,72.954 h1
Mechanical 1:
  circle w0.013: c138.953,75.495 r1.5
  circle w0.013: c81.047,144.505 r1.5
  circle w0.013: c138.953,144.505 r1.5
  circle w0.013: c81.047,75.495 r1.5
  lines w0.013: 47,110 50.799,131.547 61.739,150.496 78.5,164.56 99.06,172.043 120.94,172.043 141.5,164.56 158.261,150.496 169.201,131.547 173,110 169.201,88.453 158.261,69.504 141.5,55.44 120.94,47.957 99.06,47.957 78.5,55.44 61.739,69.504 50.799,88.453 47,110